# KiCad board RX8-7(WithoutOpAmps).kicad_pcb (continued)
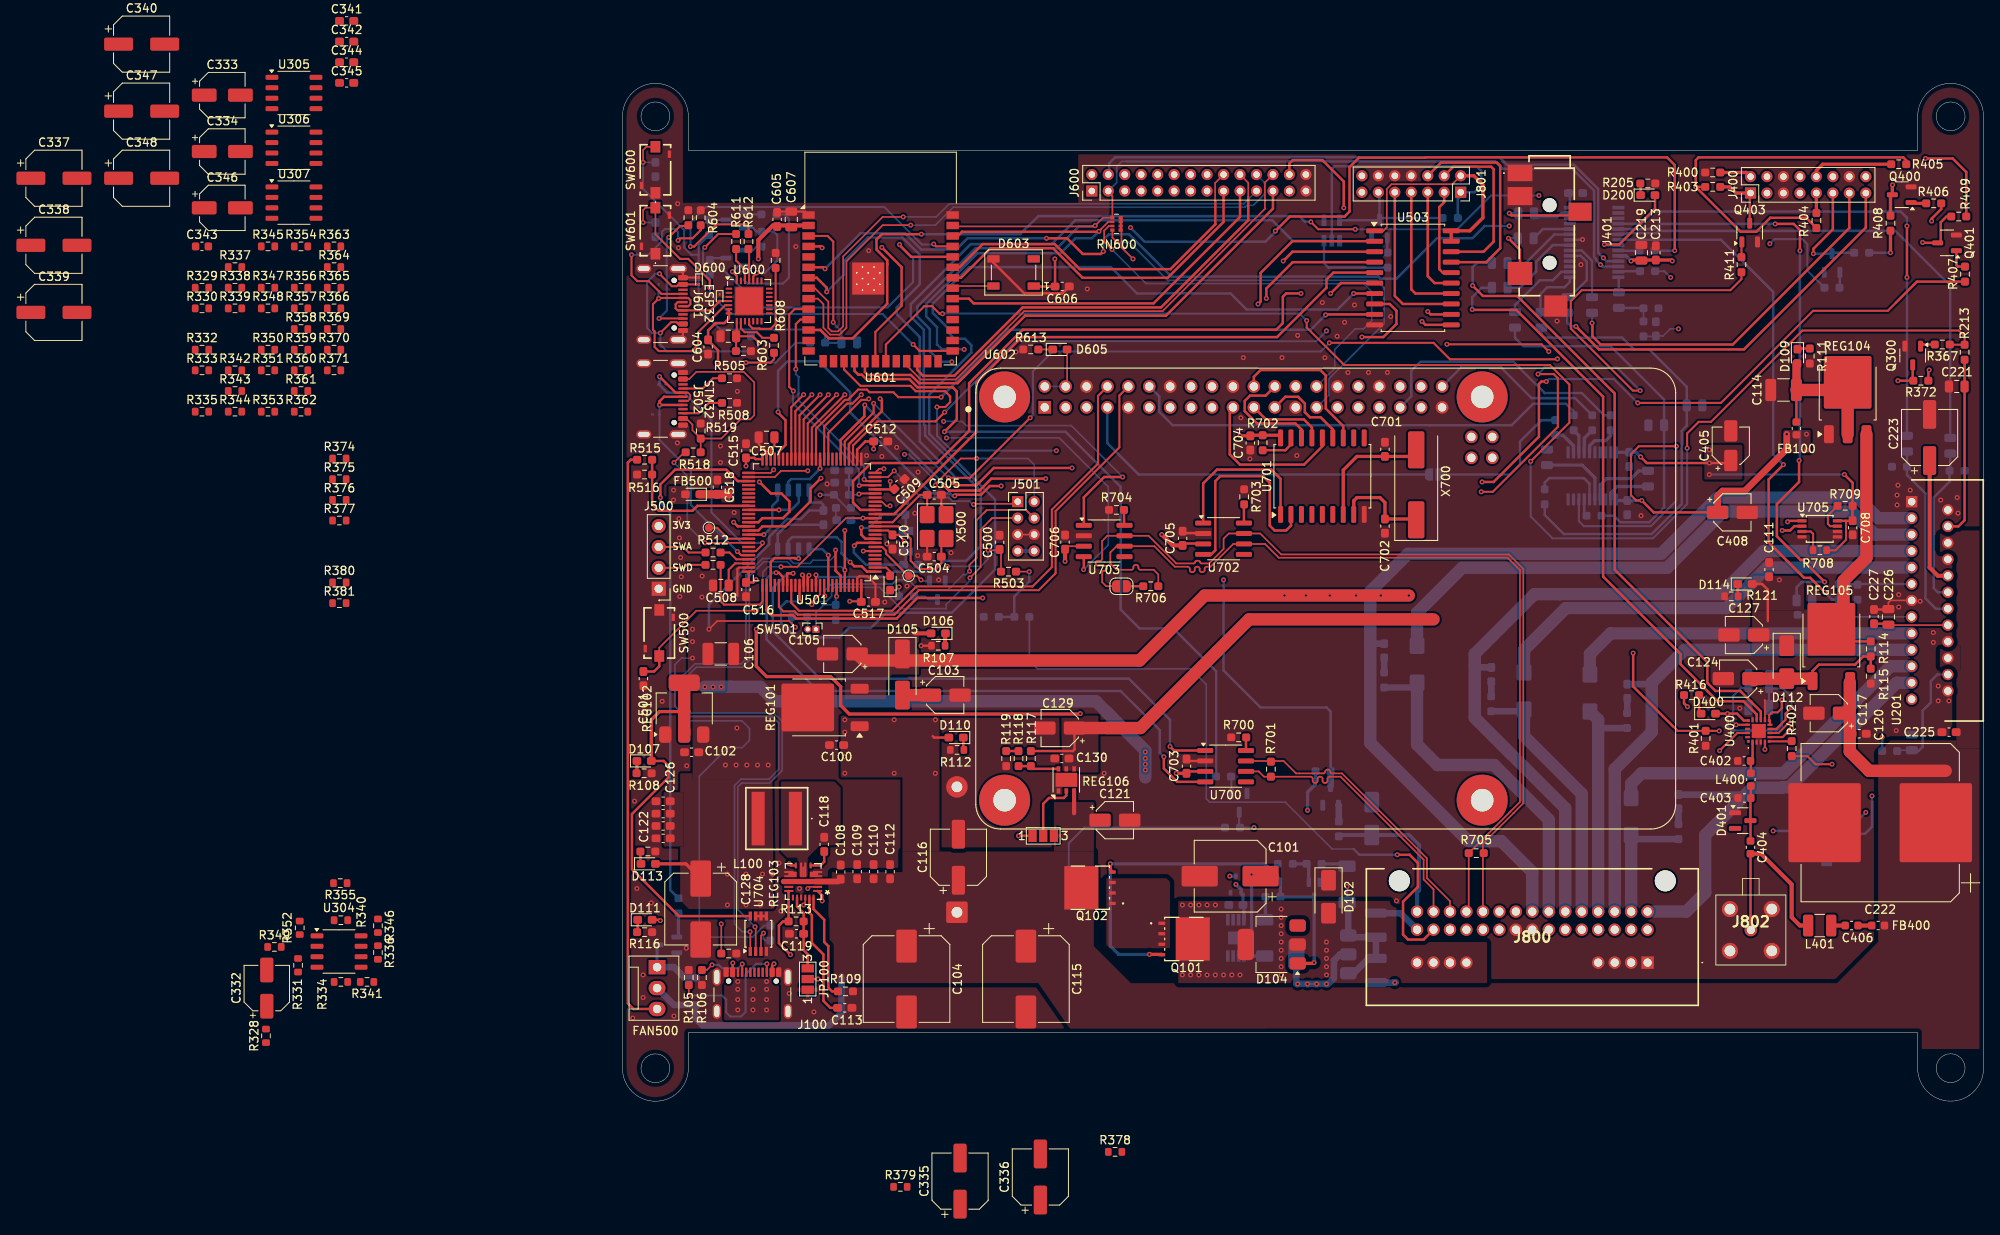
[diagram p0: board, top side]
## Footprints (pads in the part's own frame, mm; a bottom-side part is the same pattern mirrored in y, then rotated) (continued)
SOIC-18W_7.5x11.6mm_P1.27mm
  rrect 2.05x0.6 smd: 1(-4.65,5.08) 2(-4.65,3.81) 3(-4.65,2.54) 4(-4.65,1.27) 5(-4.65,0) 6(-4.65,-1.27) 7(-4.65,-2.54) 8(-4.65,-3.81) 9(-4.65,-5.08) 10(4.65,-5.08) 11(4.65,-3.81) 12(4.65,-2.54) 13(4.65,-1.27) 14(4.65,0) 15(4.65,1.27) 16(4.65,2.54) 17(4.65,3.81) 18(4.65,5.08)
SOIC-20W_7.5x12.8mm_P1.27mm
  rrect 2.05x0.6 smd: 1(-4.65,5.715) 2(-4.65,4.445) 3(-4.65,3.175) 4(-4.65,1.905) 5(-4.65,0.635) 6(-4.65,-0.635) 7(-4.65,-1.905) 8(-4.65,-3.175) 9(-4.65,-4.445) 10(-4.65,-5.715) 11(4.65,-5.715) 12(4.65,-4.445) 13(4.65,-3.175) 14(4.65,-1.905) 15(4.65,-0.635) 16(4.65,0.635) 17(4.65,1.905) 18(4.65,3.175) 19(4.65,4.445) 20(4.65,5.715)
SolderJumper-2_P1.3mm_Open_RoundedPad1.0x1.5mm
  custom 1x1.5 smd: 1(-0.65,0) 2(0.65,0)
SolderJumper-2_P1.3mm_Open_RoundedPad1.0x1.5mm#2
  custom 1x1.5 smd: 1(-0.65,0) 2(0.65,0)
SolderJumper-3_P1.3mm_Open_Pad1.0x1.5mm_NumberLabels
  rect 1x1.5 smd: 1(-1.3,0) 2(0,0) 3(1.3,0)
SOP65P490X110-9N
  rect 1.4x0.45 smd: 1(-2.2,0.975) 2(-2.2,0.325) 3(-2.2,-0.325) 4(-2.2,-0.975) 5(2.2,-0.975) 6(2.2,-0.325) 7(2.2,0.325) 8(2.2,0.975)
  rect 1.57x1.89 smd: 9(0,0)
SOP65P640X120-28N
  rect 1.475x0.45 smd: 1(-2.938,4.225) 2(-2.938,3.575) 3(-2.938,2.925) 4(-2.938,2.275) 5(-2.938,1.625) 6(-2.938,0.975) 7(-2.938,0.325) 8(-2.938,-0.325) 9(-2.938,-0.975) 10(-2.938,-1.625) 11(-2.938,-2.275) 12(-2.938,-2.925) 13(-2.938,-3.575) 14(-2.938,-4.225) 15(2.938,-4.225) 16(2.938,-3.575) 17(2.938,-2.925) 18(2.938,-2.275) 19(2.938,-1.625) 20(2.938,-0.975) 21(2.938,-0.325) 22(2.938,0.325) 23(2.938,0.975) 24(2.938,1.625) 25(2.938,2.275) 26(2.938,2.925) 27(2.938,3.575) 28(2.938,4.225)
SOT65P210X125-3N
  rrect 1.13x0.5 smd: 1(0.895,0) 2(-0.895,0.65) 3(-0.895,-0.65)
SOT95P270X145-5N
  rect 1.4x0.6 smd: 1(-1.25,0.95) 2(-1.25,0) 3(-1.25,-0.95) 4(1.25,-0.95) 5(1.25,0.95)
SOT-23
  rrect 1.475x0.6 smd: 1(-0.938,0.95) 2(0.938,0) 3(-0.938,-0.95)
SOT-23-3(CORRECTED)
  rrect 1.325x0.6 smd: 1(1.137,0) 2(-1.137,0.95) 3(-1.137,-0.95)
SOT-223-3_TabPin2
  rrect 2x1.5 smd: 1(-3.15,2.3) 2(-3.15,0) 3(-3.15,-2.3)
  rrect 2x3.8 smd: 2(3.15,0)
SOT-223-3_TabPin2#2
  rrect 2x1.5 smd: 1(-3.15,-2.3) 1(-3.15,2.3) 2(-3.15,0)
  rrect 2x3.8 smd: 2(3.15,0)
SOT-323_SC-70
  rrect 0.7x0.45 smd: 1(-1,0.65) 2(-1,-0.65) 3(1,0)
SSOP-8_3.9x5.05mm_P1.27mm
  rrect 1.55x0.6 smd: 1(-2.675,1.905) 2(-2.675,0.635) 3(-2.675,-0.635) 4(-2.675,-1.905) 5(2.675,-1.905) 6(2.675,-0.635) 7(2.675,0.635) 8(2.675,1.905)
TestPoint_Pad_D1.0mm
  round 1 smd: 1(0,0)
TO100P465X2910X1977-25P
  rect 1.365x1.365 hole 0.91: 1(0,0)
  round 1.365 hole 0.91: 2(1,4.4) 3(2,0) 4(3,4.4) 5(4,0) 6(5,4.4) 7(6,0) 8(7,4.4) 9(8,0) 10(9,4.4) 11(10,0) 12(11,4.4) 13(12,0) 14(13,4.4) 15(14,0) 16(15,4.4) 17(16,0) 18(17,4.4) 19(18,0) 20(19,4.4) 21(20,0) 22(21,4.4) 23(22,0) 24(23,4.4) 25(24,0)
TO-252-2
  rrect 3.05x2.75 smd: (-0.415,1.525) (-0.415,-1.525) (2.935,1.525) (2.935,-1.525)
  rrect 2.2x1.2 smd: 1(-5.04,2.28) 3(-5.04,-2.28)
  rrect 6.4x5.8 smd: 2(1.26,0)
TO-252-3_TabPin2
  rrect 3.05x2.75 smd: (-0.415,1.525) (-0.415,-1.525) (2.935,1.525) (2.935,-1.525)
  rrect 2.2x1.2 smd: 1(-5.04,2.28) 2(-5.04,0) 3(-5.04,-2.28)
  rrect 6.4x5.8 smd: 2(1.26,0)
TSSOP-8_3x3mm_P0.65mm
  rect 1.1x0.4 smd: 1(-2.15,0.975) 2(-2.15,0.325) 3(-2.15,-0.325) 4(-2.15,-0.975) 5(2.15,-0.975) 6(2.15,-0.325) 7(2.15,0.325) 8(2.15,0.975)
TSSOP-20_4.4x6.5mm_P0.65mm
  rrect 1.475x0.4 smd: 1(-2.862,2.925) 2(-2.862,2.275) 3(-2.862,1.625) 4(-2.862,0.975) 5(-2.862,0.325) 6(-2.862,-0.325) 7(-2.862,-0.975) 8(-2.862,-1.625) 9(-2.862,-2.275) 10(-2.862,-2.925) 11(2.862,-2.925) 12(2.862,-2.275) 13(2.862,-1.625) 14(2.862,-0.975) 15(2.862,-0.325) 16(2.862,0.325) 17(2.862,0.975) 18(2.862,1.625) 19(2.862,2.275) 20(2.862,2.925)
USB_C_Receptacle_GCT_USB4105-xx-A_16P_TopMnt_Horizontal
  round 0.65 hole 0.65 unplated: (-2.89,2.605) (2.89,2.605)
  rrect 0.6x1.15 smd: A1(-3.2,3.68) A4(-2.4,3.68) A9(2.4,3.68) A12(3.2,3.68) B1(3.2,3.68) B4(2.4,3.68) B9(-2.4,3.68) B12(-3.2,3.68)
  rrect 0.3x1.15 smd: A5(-1.25,3.68) A6(-0.25,3.68) A7(0.25,3.68) A8(1.25,3.68) B5(1.75,3.68) B6(0.75,3.68) B7(-0.75,3.68) B8(-1.75,3.68)
  oval 1x2.1 hole 0.6x1.7: S1(-4.32,3.105) S1(4.32,3.105)
  oval 1x1.8 hole 0.6x1.4: S1(-4.32,-1.075) S1(4.32,-1.075)
XAL7030472MEC
  rect 1.58x6.5 smd: 1(-2.26,0) 2(2.26,0)

## Nets
+12V: C100.1 C104.1 C108.1 C109.1 C110.1 C112.1 C115.1 C116.1 C117.1 C120.1 C121.1 C222.1 C225.1 D108.1 D110.2 D505.1 FAN500.2 FB400.1 J400.3 J400.4 J600.1 J600.2 JP101.3 Q102.5 R372.2 R373.2 R408.2 R409.2 R414.2 REG101.1 REG103.3 REG103.12 REG105.3 REG106.3 U201.6 U201.20
AGND: C100.2 C101.2 C102.2 C103.2 C104.2 C105.2 C106.2 C107.2 C108.2 C109.2 C110.2 C111.2 C112.2 C113.2 C114.2 C115.2 C116.2 C117.2 C119.2 C120.2 C121.2 C122.2 C123.2 C124.2 C125.2 C126.2 C127.2 C128.2 C129.2 C130.2 C210.2 C213.2 C219.2 C220.2 C221.2 C222.2 C223.2 C225.2 C226.2 C227.2 C341.1 C342.1 C343.2 C344.1 C345.1 C400.2 C401.2 C402.1 C403.1 C405.2 C407.2 C408.2 C409.1 C411.2 C412.1 C413.1 C500.2 C501.1 C502.2 C503.2 C504.1 C505.2 C507.2 C508.2 C509.1 C510.1 C511.1 C512.1 C513.2 C514.2 C515.1 C516.1 C517.1 C518.2 C519.1 C600.2 C601.1 C602.1 C603.2 C604.2 C605.2 C606.2 C607.2 C701.1 C702.1 C703.1 C704.1 C705.1 C706.1 C708.1 D100.2 D102.1 D108.2 D401.1 D500.1 D502.1 D503.1 D600.1 D601.1 D602.1 D603.3 J100.A1 J100.A12 J100.B1 J100.B12 J100.S1 J400.5 J400.6 J400.14 J401.1 J401.4 J401.5 J500.1 J501.5 J501.6 J502.A1 J502.A12 J502.B1 J502.B12 J502.S1 J600.27 J600.28 J601.A1 J601.A12 J601.B1 J601.B12 J601.S1 J800.1 J800.2 J800.3 J800.4 J800.16 J800.17 J801.8 J801.10 J801.12 J802.2 J802.3 J802.4 J802.5 JP100.1 Q100.3 Q300.3 Q301.3 Q400.3 Q401.3 Q402.3 Q403.3 Q404.3 Q500.3 Q501.3 Q502.3 Q503.3 R101.1 R103.1 R105.2 R106.2 R107.1 R108.2 R109.2 R110.2 R111.2 R112.1 R115.2 R116.1 R119.1 R120.1 R121.1 R205.2 R207.2 R208.2 R209.2 R210.2 R211.2 R359.1 R400.1 R401.1 R505.2 R508.2 R510.1 R516.2 R519.2 R521.2 R603.1 R604.2 R605.2 R610.2 R613.1 R700.2 R703.2 R704.2 REG100.4 REG100.5 REG100.6 REG100.9 REG101.2 REG102.1 REG103.4 REG103.5 REG103.10 REG103.11 REG103.17 REG104.1 REG106.1 REG106.7 SW500.1 SW500.3 SW500.4 SW600.1 SW600.3 SW600.4 SW601.1 SW601.3 SW601.4 U200.3 U200.4 U200.8 U200.11 U200.12 U200.15 U201.1 U201.2 U201.8 U201.13 U201.18 U201.24 U304.4 U305.4 U306.4 U307.4 U400.3 U400.4 U400.12 U400.15 U400.21 U401.3 U401.9 U401.10 U401.11 U401.16 U401.17 U401.19 U500.1 U500.4 U501.10 U501.19 U501.26 U501.49 U501.74 U501.99 U502.4 U503.10 U600.3 U600.29 U601.1 U601.40 U601.41 U602.6 U602.9 U602.14 U602.20 U602.25 U602.30 U602.34 U602.39 U700.2 U701.9 U702.2 U703.2 U704.4 U704.5 U704.6 U704.7 U705.4 U705.5 U705.6 X500.2 X500.4
P3V3: C106.1 C405.1 C407.1 C519.2 C604.1 C605.1 C606.1 C607.1 C708.2 D107.2 D501.3 D603.1 FB500.2 J800.21 R500.1 R502.2 R608.2 R609.1 R707.2 R708.2 R709.1 REG102.2 RN600.1 U401.20 U502.8 U600.6 U600.7 U601.2 U704.8 U705.8
P5V: C102.1 C122.1 C123.1 C125.1 C126.1 C128.1 C703.2 C704.2 C705.2 C706.2 D113.2 J100.A4 J100.A9 J100.B4 J100.B9 J501.7 J501.8 J800.18 J800.19 J800.33 J801.2 L100.2 R403.2 R404.2 R405.2 R702.2 REG102.3 REG103.18 U503.1 U503.19 U503.20 U700.3 U701.18 U702.3 U703.3
P8V: C105.1 D105.1 D106.2 J801.1 R506.2 REG101.3 U500.2
VBAT: C107.1 D501.1 REG100.8 U501.6
VBUS: R518.1 U501.68
VBUS2: D600.2 J601.A4 J601.A9 J601.B4 J601.B9 R602.1
3P3: C408.1 C411.1 D400.2 FB100.1 R402.2 R413.2 U400.10 U400.11 U400.16 U401.1 U401.8
8P5: C111.1 C127.1 C213.1 C219.1 D112.1 D114.2 R114.1 REG104.3 REG105.2 U200.24
9P5: C129.1 C130.1 C341.2 C342.2 C344.2 C345.2 R117.2 R358.2 REG106.4 REG106.5 U304.8 U305.8 U306.8 U307.8
+BAT: D102.2 D103.2 D104.2 J800.5 J800.6 J800.7 J800.8 Q101.5 R104.2
/AMPENABLE: J800.9 Q300.1 R372.1
/ANT_IN: C404.2 J802.1 L401.1
/Audio2/APSTATE: R368.1 U601.18
/Audio2/OUT_FL+: R379.2
/Audio2/OUT_FL-: R378.2
/Audio2/OUT_FR+: R380.2
/Audio2/OUT_FR-: R381.2
/Audio2/OUT_RL+: R377.2
/Audio2/OUT_RL-: R376.2
/Audio2/OUT_RR+: R374.2
/Audio2/OUT_RR-: R375.2
/Audio3/CD_ENABLE: R407.1 U601.7
/Audio3/CDBUS+: R411.1 U601.17
/Audio3/CDEJECT: R410.1 U601.12
/Audio3/CDMUTE: R406.1 U601.6
/Audio3/FMGPIO1: R412.1 U400.19
/Audio3/FMGPIO2: U400.18
/Audio3/I2S_BCLK: R419.1 U602.12
/Audio3/I2S_DOUT: R418.1 U602.40
/Audio3/I2S_LRCLK: R417.1 U602.35
/Audio3/I2S_SCLK: JP600.2 R420.1
/Audio3/MediaBUS+: J400.1 Q403.1 R403.1
/Audio3/MediaBUS-: J400.2 R400.2
/Audio3/MediaCLK: J400.9 R404.1
/Audio3/MediaDO: J400.10 R405.1
/Audio3/MediaEJECT: J400.7 Q401.1 R409.1
/Audio3/MediaENABLE: J400.11 Q402.1 R414.1
/Audio3/MediaMUTE: J400.12 Q400.1 R408.1
/Audio3/RF_IN: C402.2 L400.1 U400.2
/Audio3/Tuner_RST: R401.2 U400.5 U601.4
/Audio/AMP_MUTE: R206.2 R212.1 U601.20
/Audio/AUXIN_L: C206.1 J401.2
/Audio/AUXIN_R: C207.1 J401.3
/Audio/BEEP_OUT: C214.2 R209.1 R514.2
/Audio/CDIN_L: C202.1 J400.15
/Audio/CDIN_R: C203.1 J400.13
/Audio/DAC_OUTL: C200.1 C413.2 R421.2
/Audio/DAC_OUTR: C201.1 C412.2 R422.2
/Audio/FMOUT_L: C204.1 U400.14
/Audio/FMOUT_R: C205.1 U400.13
/Audio/IN1: C215.2 R211.1 R328.1 U201.11
/Audio/IN2: C216.2 R210.1 R329.1 U201.12
/Audio/IN3: C217.2 R208.1 R330.1 U201.15
/Audio/IN4: C218.2 R207.1 R360.1 U201.14
/Audio/LMOUT: R204.2 U501.30
/Audio/OUT1+: L200.1 U201.9
/Audio/OUT1-: C208.2 J800.29 U201.7
/Audio/OUT2+: L201.1 U201.5
/Audio/OUT2-: C209.2 J800.31 U201.3
/Audio/OUT3+: L203.1 U201.17
/Audio/OUT3-: C212.2 J800.26 U201.19
/Audio/OUT4+: L202.1 U201.21
/Audio/OUT4-: C211.2 J800.24 U201.23
/Audio/OUT_FL+: J800.28 L200.2 R200.1
/Audio/OUT_FR+: J800.25 L202.2 R202.1
/Audio/OUT_RL+: J800.30 L201.2 R201.1
/Audio/OUT_RR+: J800.27 L203.2 R203.1
/Audio/SUB_L: U200.17
/Audio/SUB_R: U200.16
/AudioPilot: J800.13 Q301.1 R373.1
/CAN1H: J800.36 R701.1 U700.7
/CAN1L: J800.37 R701.2 U700.6
/CAN2H: J800.34 JP702.1 R705.1 U702.7 U703.7
/CAN2L: J800.35 R705.2 R706.1 U702.6 U703.6
/Connectors/ABS: J800.12
/Connectors/Illumination+: D500.2 J800.38 R501.1
/Connectors/LCD_AC: J801.4 U503.18
/Connectors/LCD_BACKLIGHT: J801.11 Q501.1 R506.1 U500.5
/Connectors/LCD_CS: J801.5 U503.15
/Connectors/LCD_EN: J801.9 U503.13
/Connectors/LCD_MOSI: J801.7 U503.14
/Connectors/LCD_RS: J801.3 U503.16
/Connectors/LCD_SCK: J801.6 U503.17
/Connectors/WheelButton2: J800.22 R520.1
/MCU1/1Hz_LED: D504.2 U501.2
/MCU1/AC_MODE: U501.86 U503.2
/MCU1/Backlight_PWM: R504.1 U500.3 U501.89
/MCU1/BOOT0: R510.2 SW501.1 U501.94
/MCU1/CAN1_RXD: U501.81 U700.4
/MCU1/CAN1_TXD: U501.82 U700.1
/MCU1/CAN2_RXD: U501.52 U703.4
/MCU1/CAN2_TXD: U501.51 U703.1
/MCU1/CCU_RX: J600.26 U503.11
/MCU1/CCU_TX: J600.25 U503.12
/MCU1/ESP32_RX: U501.22 U601.10
/MCU1/ESP32_TX: U501.23 U601.11
/MCU1/FAN_DOWN: U501.56
/MCU1/FAN_TACHO: R515.2 R516.1 U501.59
/MCU1/FAN_UP: U501.55
/MCU1/Illum_IN: Q500.1 R502.1 U501.31
/MCU1/MT1_UH: J600.9 U501.39
/MCU1/MT1_UL: J600.10 U501.38
/MCU1/MT1_VH: J600.7 U501.41
/MCU1/MT1_VL: J600.8 U501.40
/MCU1/MT1_WH: J600.5 U501.43
/MCU1/MT1_WL: J600.6 U501.42
/MCU1/MT2_UH: J600.15 U501.63
/MCU1/MT2_UL: J600.13 U501.29
/MCU1/MT2_VH: J600.14 U501.64
/MCU1/MT2_VL: J600.12 U501.34
/MCU1/MT2_WH: J600.16 U501.65
/MCU1/MT2_WL: J600.11 U501.35
/MCU1/NRST: C501.2 C506.2 SW500.2 U501.14
/MCU1/OUT1Hz: Q502.2 TP500.1 U501.7
/MCU1/OUT25MHz: TP501.1 U501.67
/MCU1/PA2: J501.1 U501.24
/MCU1/PA3: J501.2 U501.25
/MCU1/PB4: J501.3 U501.90
/MCU1/PB5: J501.4 U501.91
/MCU1/PB7: U501.93
/MCU1/PB11: U501.47
/MCU1/PB15: U501.54
/MCU1/PC4: U501.32
/MCU1/PC5: U501.33
/MCU1/PC11: U501.79
/MCU1/PD3: U501.84
/MCU1/PD7: U501.88
/MCU1/PD14: U501.61
/MCU1/PD15: U501.62
/MCU1/PE0: U501.97
/MCU1/PE1: U501.98
/MCU1/PE4: U501.3
/MCU1/PE6: U501.5
/MCU1/PE14: U501.44
/MCU1/PE15: U501.45
/MCU1/PWM_OUT: U501.4
/MCU1/QSPI_CLK: U501.36 U502.6
/MCU1/QSPI_CS: U501.92 U502.1
/MCU1/QSPI_D0: U501.66 U502.5
/MCU1/QSPI_D1: U501.78 U502.2
/MCU1/QSPI_D2: U501.1 U502.3
/MCU1/QSPI_D3: U501.60 U502.7
/MCU1/RS_MODE: U501.87 U503.4
/MCU1/STM32_RX: U501.83 U602.8
/MCU1/STM32_TX: U501.80 U602.10
/MCU1/Temp_DOWN: U501.58
/MCU1/Temp_UP: U501.57
/MCU1/U1LCD_CS: U501.15 U503.5
/MCU1/U1LCD_EN: U501.85 U503.7
/MCU1/U1LCD_MISO: U501.17
/MCU1/U1LCD_MOSI: U501.16 U503.6
/MCU1/U1LCD_SCK: U501.46 U503.3
/MCU1/UART7_RX: U501.37 U503.9
/MCU1/UART7_TX: U501.77 U503.8
/MCU1/USB_CC1: J502.A5 R505.1
/MCU1/USB_CC2: J502.B5 R508.1
/MCU1/USB_DN: D502.2 J502.A7 J502.B7 U501.70
/MCU1/USB_DP: D503.2 J502.A6 J502.B6 U501.71
/MCU1/WheelButton_IN: C500.1 R503.2 U501.18
/MCU2/CLCD_DC: J600.23 U601.19
/MCU2/CLCD_RST: J600.24 U601.23
/MCU2/CS1: J600.19 U601.32
/MCU2/CS2: J600.22 U601.9
/MCU2/CS3: J600.21 U601.8
/MCU2/LED_DIN: D603.4 U601.33
/MCU2/LED_DOUT: U601.5
/MCU2/PI_CS: U602.24 U701.16
/MCU2/PI_INT: U602.22 U701.12
/MCU2/PI_MISO: U602.21 U701.15
/MCU2/PI_MOSI: U602.19 U701.14
/MCU2/Pi_SCL: RN600.4 U602.28
/MCU2/PI_SCLK: U602.23 U701.13
/MCU2/Pi_SDA: RN600.5 U602.27
/MCU2/U6_EN: C601.2 C603.1 R606.2 R609.2 SW600.2 U601.3
/MCU2/U6_GPIO0: C602.2 R607.1 SW601.2 U601.27
/MCU2/U6_MISO: J600.17 U601.34
/MCU2/U6_MOSI: J600.18 U601.35
/MCU2/U6_SCLK: J600.20 U601.24
/MCU2/U6DTR: Q601.3 R600.1 U600.28
/MCU2/U6RTS: Q600.3 R601.1 U600.24
/MCU2/U6RXD: R611.2 U601.36
/MCU2/U6TXD: R612.2 U601.37
/MCU2/USB2_CC1: J601.A5 R604.1
/MCU2/USB2_CC2: J601.B5 R605.1
/MCU2/USB2_D+: D602.2 J601.A6 J601.B6 U600.4
/MCU2/USB2_D-: D601.2 J601.A7 J601.B7 U600.5
/Power/ENABLE: D100.1 D101.2 JP101.1 R100.2 R101.2 REG103.9
/Power/PG_OUT: D111.2 R113.1 REG103.14
/SCL: J600.3 RN600.2 U200.26 U400.8 U501.96 U601.39 U704.2 U705.2
/SDA: J600.4 RN600.3 U200.25 U400.7 U501.95 U601.38 U704.1 U705.1
ACC: J800.23 R100.1
AMPSTATE: R213.1 R367.1 U601.21
Debug3V3: J500.4
VREF: C343.1 R331.1 R332.1 R333.1 R341.1 R343.1 R345.1 R358.1 R359.2 R361.1 R365.1 U304.5 U305.5 U306.5 U307.5
Net-(C118-Pad2): C118.2 L100.1 REG103.7 REG103.8
Net-(C208-Pad1): C208.1 R200.2
Net-(C209-Pad1): C209.1 R201.2
Net-(C211-Pad1): C211.1 R202.2
Net-(C212-Pad1): C212.1 R203.2
Net-(C332-Pad1): C332.1 R328.2
Net-(C333-Pad1): C333.1 R329.2
Net-(C334-Pad1): C334.1 R330.2
Net-(C335-Pad1): C335.1 R349.1 R352.1 R355.2
Net-(C335-Pad2): C335.2 R379.1
Net-(C336-Pad1): C336.1 R346.1
Net-(C336-Pad2): C336.2 R378.1
Net-(C337-Pad1): C337.1 R350.1 R353.1 R356.2
Net-(C337-Pad2): C337.2 R377.1
Net-(C338-Pad1): C338.1 R347.1
Net-(C338-Pad2): C338.2 R376.1
Net-(C339-Pad1): C339.1 R351.1 R354.1 R357.2
Net-(C339-Pad2): C339.2 R374.1
Net-(C340-Pad1): C340.1 R348.1
Net-(C340-Pad2): C340.2 R375.1
Net-(C346-Pad1): C346.1 R360.2
Net-(C347-Pad1): C347.1 R366.1 R370.1 R371.2
Net-(C347-Pad2): C347.2 R380.1
Net-(C348-Pad1): C348.1 R369.1
Net-(C348-Pad2): C348.2 R381.1
Net-(C406-Pad1): C406.1 L401.2
Net-(C406-Pad2): C406.2 FB400.2
Net-(C506-Pad1): C506.1 R509.1
Net-(C507-Pad1): C507.1 U501.48
Net-(C508-Pad1): C508.1 U501.73
Net-(D101-K): D101.1 R102.1
Net-(D103-K): C101.1 D103.1 REG100.1 REG100.2
Net-(D104-K): D104.1 Q100.1 Q101.4 Q102.4 R104.1
Net-(D105-A): C103.1 D105.2
Net-(D106-K): D106.1 R107.2
Net-(D107-K): D107.1 R108.1
Net-(D109-A): C114.1 D109.2 FB100.2 REG104.2
Net-(D109-K): D109.1 R111.1
Net-(D110-K): D110.1 R112.2
Net-(D111-K): D111.1 R116.2
Net-(D112-A): C124.1 D112.2 R114.2 R115.1 REG105.1
Net-(D113-K): D113.1 R120.2
Net-(D114-K): D114.1 R121.2
Net-(D200-A): D200.2 U200.22
Net-(D200-K): D200.1 R205.1
Net-(D400-K): D400.1 R416.1
Net-(D401-A2): C403.2 C404.1 D401.2 L400.2
Net-(D504-K): D504.1 R511.2
Net-(D505-A): D505.2 FAN500.1 Q503.1
Net-(D605-A): D605.2 U602.2 U602.4
Net-(D605-K): D605.1 R613.2
Net-(FAN500-Tacho): FAN500.3 R515.1
Net-(J100-CC1): J100.A5 R106.1
Net-(J100-CC2): J100.B5 R105.1
Net-(J500-Pin_2): J500.2 R513.2
Net-(J500-Pin_3): J500.3 R512.2
Net-(J502-VBUS-PadA4): J502.A4 J502.A9 J502.B4 J502.B9 R518.2 R519.1
Net-(JP100-B): C119.1 JP100.3 R113.2 REG103.16
Net-(JP100-C): JP100.2 REG103.1
Net-(JP101-C): JP101.2 REG106.2
Net-(JP600-A): JP600.1 U602.7
Net-(JP702-B): JP702.2 R706.2
Net-(Q100-B): Q100.2 R102.2 R103.2
Net-(Q101-S-Pad1): Q101.1 Q101.2 Q101.3 Q102.1 Q102.2 Q102.3
Net-(Q300-B): Q300.2 R367.2
Net-(Q301-B): Q301.2 R368.2
Net-(Q400-B): Q400.2 R406.2
Net-(Q401-B): Q401.2 R407.2
Net-(Q402-B): Q402.2 R410.2
Net-(Q403-B): Q403.2 R411.2
Net-(Q404-B): Q404.2 R412.2
Net-(Q404-C): Q404.1 R413.1 R416.2
Net-(Q500-B): Q500.2 R501.2
Net-(Q501-B): Q501.2 R504.2
Net-(Q502-C): Q502.1 R511.1
Net-(Q503-B): Q503.2 R517.2
Net-(Q600-B): Q600.2 R600.2
Net-(Q600-C): Q600.1 R606.1
Net-(Q601-B): Q601.2 R601.2
Net-(Q601-C): Q601.1 R607.2
Net-(R118-Pad1): R118.1 R119.2
Net-(R334-Pad2): R334.2 R340.1 R341.2
Net-(R335-Pad2): R335.2 R342.1 R343.2
Net-(R336-Pad1): R336.1 R346.2 U304.7
Net-(R337-Pad1): R337.1 R347.2 U305.7
Net-(R338-Pad2): R338.2 R344.1 R345.2
Net-(R339-Pad1): R339.1 R348.2 U306.7
Net-(R352-Pad2): R352.2 U304.1
Net-(R353-Pad2): R353.2 U305.1
Net-(R354-Pad2): R354.2 U306.1
Net-(R362-Pad2): R362.2 R364.1 R365.2
Net-(R363-Pad1): R363.1 R369.2 U307.7
Net-(R370-Pad2): R370.2 U307.1
Net-(R503-Pad1): R503.1 R520.2 R521.1
Net-(REG103-BST): C118.1 REG103.6
Net-(REG103-FREQ): R109.1 REG103.20
Net-(REG103-SS): C113.1 REG103.19
Net-(REG103-SYNCIN): R110.1 REG103.2
Net-(REG106-ADJ): R117.1 R118.2 REG106.6
Net-(SW501-Pin_2): R500.2 SW501.2
Net-(U200-CREF): C210.1 U200.14
Net-(U200-DC_ERR_/_MOUT): R204.1 U200.27
Net-(U200-FDL+/QD4L): C206.2 U200.10
Net-(U200-FDR+/QDAR): C207.2 U200.13
Net-(U200-MUTE): R206.1 U200.23
Net-(U200-OUTLF): C215.1 U200.21
Net-(U200-OUTLR): C216.1 U200.20
Net-(U200-OUTRF): C218.1 U200.18
Net-(U200-OUTRR): C217.1 U200.19
Net-(U200-QD1L): C200.2 U200.1
Net-(U200-QD1R): C201.2 U200.2
Net-(U200-QD2L): C202.2 U200.5
Net-(U200-QD2R): C203.2 U200.6
Net-(U200-QD3L): C204.2 U200.7
Net-(U200-QD3R): C205.2 U200.9
Net-(U200-WIN_IN_/_BEEP): C214.1 U200.28
Net-(U201-AC-GND): C226.1 C227.1 U201.16
Net-(U201-MUTE): C220.1 R212.2 U201.22
Net-(U201-ST-BY): C221.1 R213.2 U201.4
Net-(U201-SVR): C223.1 U201.10
Net-(U304A-+): C332.2 R331.2 R334.1 U304.3
Net-(U304A--): R340.2 R349.2 U304.2
Net-(U304B--): R336.2 R355.1 U304.6
Net-(U305A-+): C333.2 R332.2 R335.1 U305.3
Net-(U305A--): R342.2 R350.2 U305.2
Net-(U305B--): R337.2 R356.1 U305.6
Net-(U306A-+): C334.2 R333.2 R338.1 U306.3
Net-(U306A--): R344.2 R351.2 U306.2
Net-(U306B--): R339.2 R357.1 U306.6
Net-(U307A-+): C346.2 R361.2 R362.1 U307.3
Net-(U307A--): R364.2 R366.2 U307.2
Net-(U307B--): R363.2 R371.1 U307.6
Net-(U400-GPIO3): C401.1 U400.17 X400.2
Net-(U400-RCLK): C400.1 U400.9 X400.1
Net-(U400-~{SEN}): R402.1 U400.6
Net-(U401-BCK): R419.2 U401.13
Net-(U401-CAPM): C410.1 U401.4
Net-(U401-CAPP): C410.2 U401.2
Net-(U401-DIN): R418.2 U401.14
Net-(U401-LRCK): R417.2 U401.15
Net-(U401-OUTL): R421.1 U401.6
Net-(U401-OUTR): R422.1 U401.7
Net-(U401-SCK): R420.2 U401.12
Net-(U401-VNEG): C409.2 U401.5
Net-(U501-PA4): C511.2 R514.1 U501.28
Net-(U501-PA13): R512.1 U501.72
Net-(U501-PA14): R513.1 U501.76
Net-(U501-PB14): R517.1 U501.53
Net-(U501-PC14): C513.1 U501.8 X501.1
Net-(U501-PC15): C514.1 U501.9 X501.2
Net-(U501-PH0): C504.2 U501.12 X500.3
Net-(U501-PH1): C505.1 U501.13 X500.1
Net-(U501-VDDA): C509.2 C510.2 C512.2 C515.2 C516.2 C517.2 C518.1 FB500.1 R507.2 R509.2 U501.11 U501.21 U501.27 U501.50 U501.75 U501.100
Net-(U501-VREF+): C502.1 C503.1 R507.1 U501.20
Net-(U600-RXD): R612.1 U600.25
Net-(U600-TXD): R611.1 U600.26
Net-(U600-VBUS): C600.1 R602.2 R603.2 U600.8
Net-(U600-~{RST}): R608.1 U600.9
Net-(U600-~{SUSPEND}): R610.1 U600.11
Net-(U700-Rs): R700.1 U700.8
Net-(U701-OSC1): C702.2 U701.8 X700.1
Net-(U701-OSC2): C701.2 U701.7 X700.2
Net-(U701-RXCAN): U701.2 U702.4
Net-(U701-TXCAN): U701.1 U702.1
Net-(U701-~{RESET}): R702.1 U701.17
Net-(U702-Rs): R703.1 U702.8
Net-(U703-Rs): R704.1 U703.8
Net-(U704-O.S.): R707.1 U704.3
Net-(U705-A0): R709.2 U705.7
Net-(U705-O.S.): R708.1 U705.3

Pads without a net: D104 3; D401 3; D501 2; D603 2; J100 A6 A7 A8 B6 B7 B8; J400 8 16; J502 A8 B8; J601 A8 B8; J800 10 11 14 15 20 32; J801 13 14; REG100 3 7; REG103 13 15; U201 25; U400 1 20; U401 18; U501 69; U600 1 2 10 12 13 14 15 16 17 18 19 20 21 22 23 27; U601 13 14 15 16 22 25 26 28 29 30 31; U602 1 3 5 11 13 15 16 17 18 26 29 31 32 33 36 37 38 41 42 43 44 S1 S2 S3 S4; U700 5; U701 3 4 5 6 10 11; U702 5; U703 5

## Via types
v1: diameter 0.6, hole 0.3, Top to Bottom, 438 vias

## Routing (per net, layer and track width the routed paths; a pad name or vN(x,y) marks a point on that pad's centre or on a via; arc(x,y) is an arc through that point)
+12V: length 166
  Top w0.3: v1(158.7,88.84) 158.6,88.74 R372.2 ; 37.69,44.34 37.85,44.18 D110.2 ; R409.2 163.2,112.89 161.55,114.54 v1(158.25,114.54) ; 54.8,34.94 54.85,34.99
  Top w0.4: 26.21,26.69 C108.1 ; R408.2 v1(154,103.09)
  Top w0.5: REG106.3 54.85,34.99
  Top w0.65: 19.56,26.69 REG103.3
  Top w0.7: REG103.3 26.21,26.69
  Top w1.5: 149.06,50.92 149.06,42.49 151.4,40.14 160.7,40.14
  In2.Cu w0.3: v1(158.7,88.84) 158.7,98.09 ; 139.6,114.68 139,114.08
  In2.Cu w0.4: 139,114.08 139.46,114.54 v1(158.25,114.54) 161.5,111.29 161.5,99.94 159.65,98.09 154.75,98.09 154,98.84 v1(154,103.09)
  In2.Cu w1.5: 139,114.08 J400.4 J400.3
  Bottom w0.25: 54,27.94 54.2,28.14 54.2,31.34 56.1,33.24 R373.2
  Bottom w0.3: R414.2 v1(154,103.09)
  Bottom w0.8: FAN500.2 6.25,11.69 D505.1 8.8,10.14 9.72,9.22 25.08,9.22 26.6,10.74 26.6,15.14
  vias: v1(27,46.34) v1(27,44.84) v1(27,41.84) v1(27,39.84) v1(33,46.34) v1(33,39.84) v1(38,46.34) v1(38,39.84)
AGND: length 82.4
  Top w0.2: C226.2 153.75,60.59 154,60.84 U201.13 ; 138.7,48.74 138.75,48.69 U400.12 ; J501.5 J501.6
  Top w0.25: J601.S1 7.35,93.1 J601.A12 ; J601.S1 7.35,100.59 J601.A1 7.39,100.08 D600.1 ; U501.99 28.5,63.54 28.76,63.79 29.75,63.79 30.72,62.82 C517.1 ; C507.2 16.55,79.84 17.5,78.89 U501.49 ; 37,68.37 C504.1 ; U501.74 14.15,64.84 13.95,64.64 13.95,61.39 ; C605.2 18.87,108.09 C607.2 22.18,108.09 U601.1 ; 38.73,73.67 38.73,72.44 39.3,71.87 39.3,71.27
  Top w0.3: R107.1 v1(36.27,55.34) ; D603.3 45.05,101.89 48.78,98.17 53.44,98.17 C606.2 ; C227.2 153.7,59.74 C226.2 ; 70.77,69.03 68.25,69.03 ; C703.1 68.73,41.34 U700.2 ; U704.7 U704.5
  In1.Cu w0.8: J600.28 J600.27
  Bottom w0.3: C519.1 20,70.04 18.84,68.89 U502.4 ; U200.8 116.57,104.67 v1(116.6,104.69)
  Bottom w0.8: D100.2 81.85,14.29 81.9,14.24 v1(82,14.24) v1(83.2,14.24) v1(84.3,14.24) v1(85.5,14.24) 85.67,14.24 86.4,14.97 86.4,17.09 87.15,17.84 D100.2 ; 93.9,14.44 93.88,14.42 v1(93.8,14.42) R101.1
  vias: v1(1.25,10.09) v1(1.46,36.45) v1(1.75,25.84) v1(2.5,15.34) v1(2.5,12.59) v1(3.5,24.09) v1(4.82,48.58) v1(6.25,10.34) v1(6.5,75.59) v1(6.7,109.04) v1(6.66,79.98) v1(6.8,103.69) v1(6.85,70.78) v1(6.91,68.44) v1(6.96,61.32) v1(7.06,66.06) v1(7.14,63.72) v1(7.8,40.75) v1(7.75,18.59) v1(9.5,75.59) v1(9.64,61.24) v1(9.68,63.81) v1(11.9,79.61) v1(11.9,77.61) v1(13.56,71.53) v1(13.95,86.24) v1(19,28.94) v1(19.25,23.09) v1(20.25,13.09) v1(21.05,103.84) v1(21.5,25.84) v1(23.25,10.84) v1(24.85,74.99) v1(29.65,78.44) v1(29.9,103.34) v1(31.5,78.34) v1(31.85,60.64) v1(32.12,67.72) v1(33.3,79.44) v1(34.3,74.04) v1(34.56,62.58) v1(35.5,71.44) v1(35.85,66.29) v1(35.9,76.44) v1(38.4,63.34) v1(39.9,66.64) v1(47.8,91.04) v1(56.45,98.69) v1(58.5,41.94) v1(58.5,39.84) v1(75.1,83.04) v1(75.4,90.34) v1(76.2,78.04) v1(80.1,90.34) v1(81.9,78.44) v1(82,93.04) v1(85,97.04) v1(85.3,90.34) v1(86.8,92.94) v1(87.7,94.64) v1(88.1,88.54) v1(88.9,96.74) v1(90.6,88.54) v1(92.9,88.54) v1(93.3,95.34) v1(94,24.34) v1(113.5,94.79) v1(116.4,101.64) v1(123.7,71.14) v1(135.7,47.74) v1(154.7,45.04) v1(154.8,73.64) v1(154.8,72.44) v1(154.9,74.84) v1(155,61.54) v1(155,60.04) v1(156.4,74.24) v1(157.6,60.74) v1(159.2,56.94) v1(159.2,55.74) v1(159.8,50.44) v1(159.8,48.64) v1(160.1,73.04) v1(161.1,48.64) v1(162.1,73.34) v1(162.2,71.44)
P3V3: length 551.2
  Top w0.2: v1(21,57.59) 20.25,58.34 11.5,58.34 v1(10.5,57.34) ; RN600.1 RN600.1 60.6,107.24 60.6,103.74 v1(62,102.34)
  Top w0.25: v1(15,89.74) 18,89.74 18.4,90.14 R608.2 ; R708.2 147.33,66.94 148.6,68.22 148.6,70.52
  Top w0.3: v1(148.4,76.14) 149.4,75.14 C708.2 149.38,70.52 U705.8 ; v1(52.5,102.34) 52.54,102.31 C606.1 50,98.99 D603.1 ; v1(123.66,78.28) 124.4,77.54 134.4,77.54 ; U600.6 U600.7 12.93,95.11 12.36,94.54 11.3,94.54 10.4,93.64 C604.1 10.4,92.44 11.6,91.24 11.6,89.84 v1(11.5,89.74) ; D107.2 5,41.34 5.6,40.74 5.6,39.34 1.15,34.89 1.15,28.19 6.85,22.49 U704.8
  Top w0.4: D107.2 3.5,46.34 4.5,47.34 7.5,47.34
  Top w0.5: U601.2 18.26,106.4 16.5,104.64 v1(16.5,102.34)
  Top w1.5: REG102.2 REG102.2
  In2.Cu w0.2: 8.4,73.04 8.5,72.94 ; 8.4,74.24 8.5,74.34
  In2.Cu w0.25: 8.9,89.74 8.5,89.34
  In2.Cu w0.3: J800.21 100.5,20.24 99.7,19.44 95.5,19.44 94.7,20.24 94.7,24.04 96.3,25.64 96.3,42.14 96.2,42.24
  In2.Cu w0.4: v1(73.75,27.34) 73.75,35.29 73.7,35.34
  In2.Cu w0.8: v1(15,89.74) 8.9,89.74 ; v1(6.2,73.04) 8.4,73.04 ; v1(6.2,74.24) 8.4,74.24 ; v1(62,102.34) v1(52.5,102.34) v1(16.5,102.34) 10.5,102.34 8.5,100.34 v1(8.5,57.34) v1(8.5,53.84)
  In2.Cu w1.5: v1(63.5,42.44) v1(63.5,41.64) v1(63.5,40.94) v1(63.5,40.24) 63.5,39.54 67.7,35.34 88.5,35.34 95.4,42.24 113.9,42.24 123.25,51.59 123.25,51.84 125,53.59 125,69.09 132,76.09 v1(132,79.14)
  Bottom w0.2: R707.2 17.2,21.34 15.8,19.94 10.12,19.94 9.33,20.74 9.33,39.49 12.8,42.97 14.55,42.97 15.42,43.84 15.42,45.29 14.5,46.22 8.16,46.22 6.38,48 6.38,53.07 7.17,53.87 7.2,53.84 v1(8.5,53.84) ; v1(21,57.59) 20.59,58.01 R500.1